# Altium PCB XMS0004.PcbDoc (part 2 of 5) (continued)
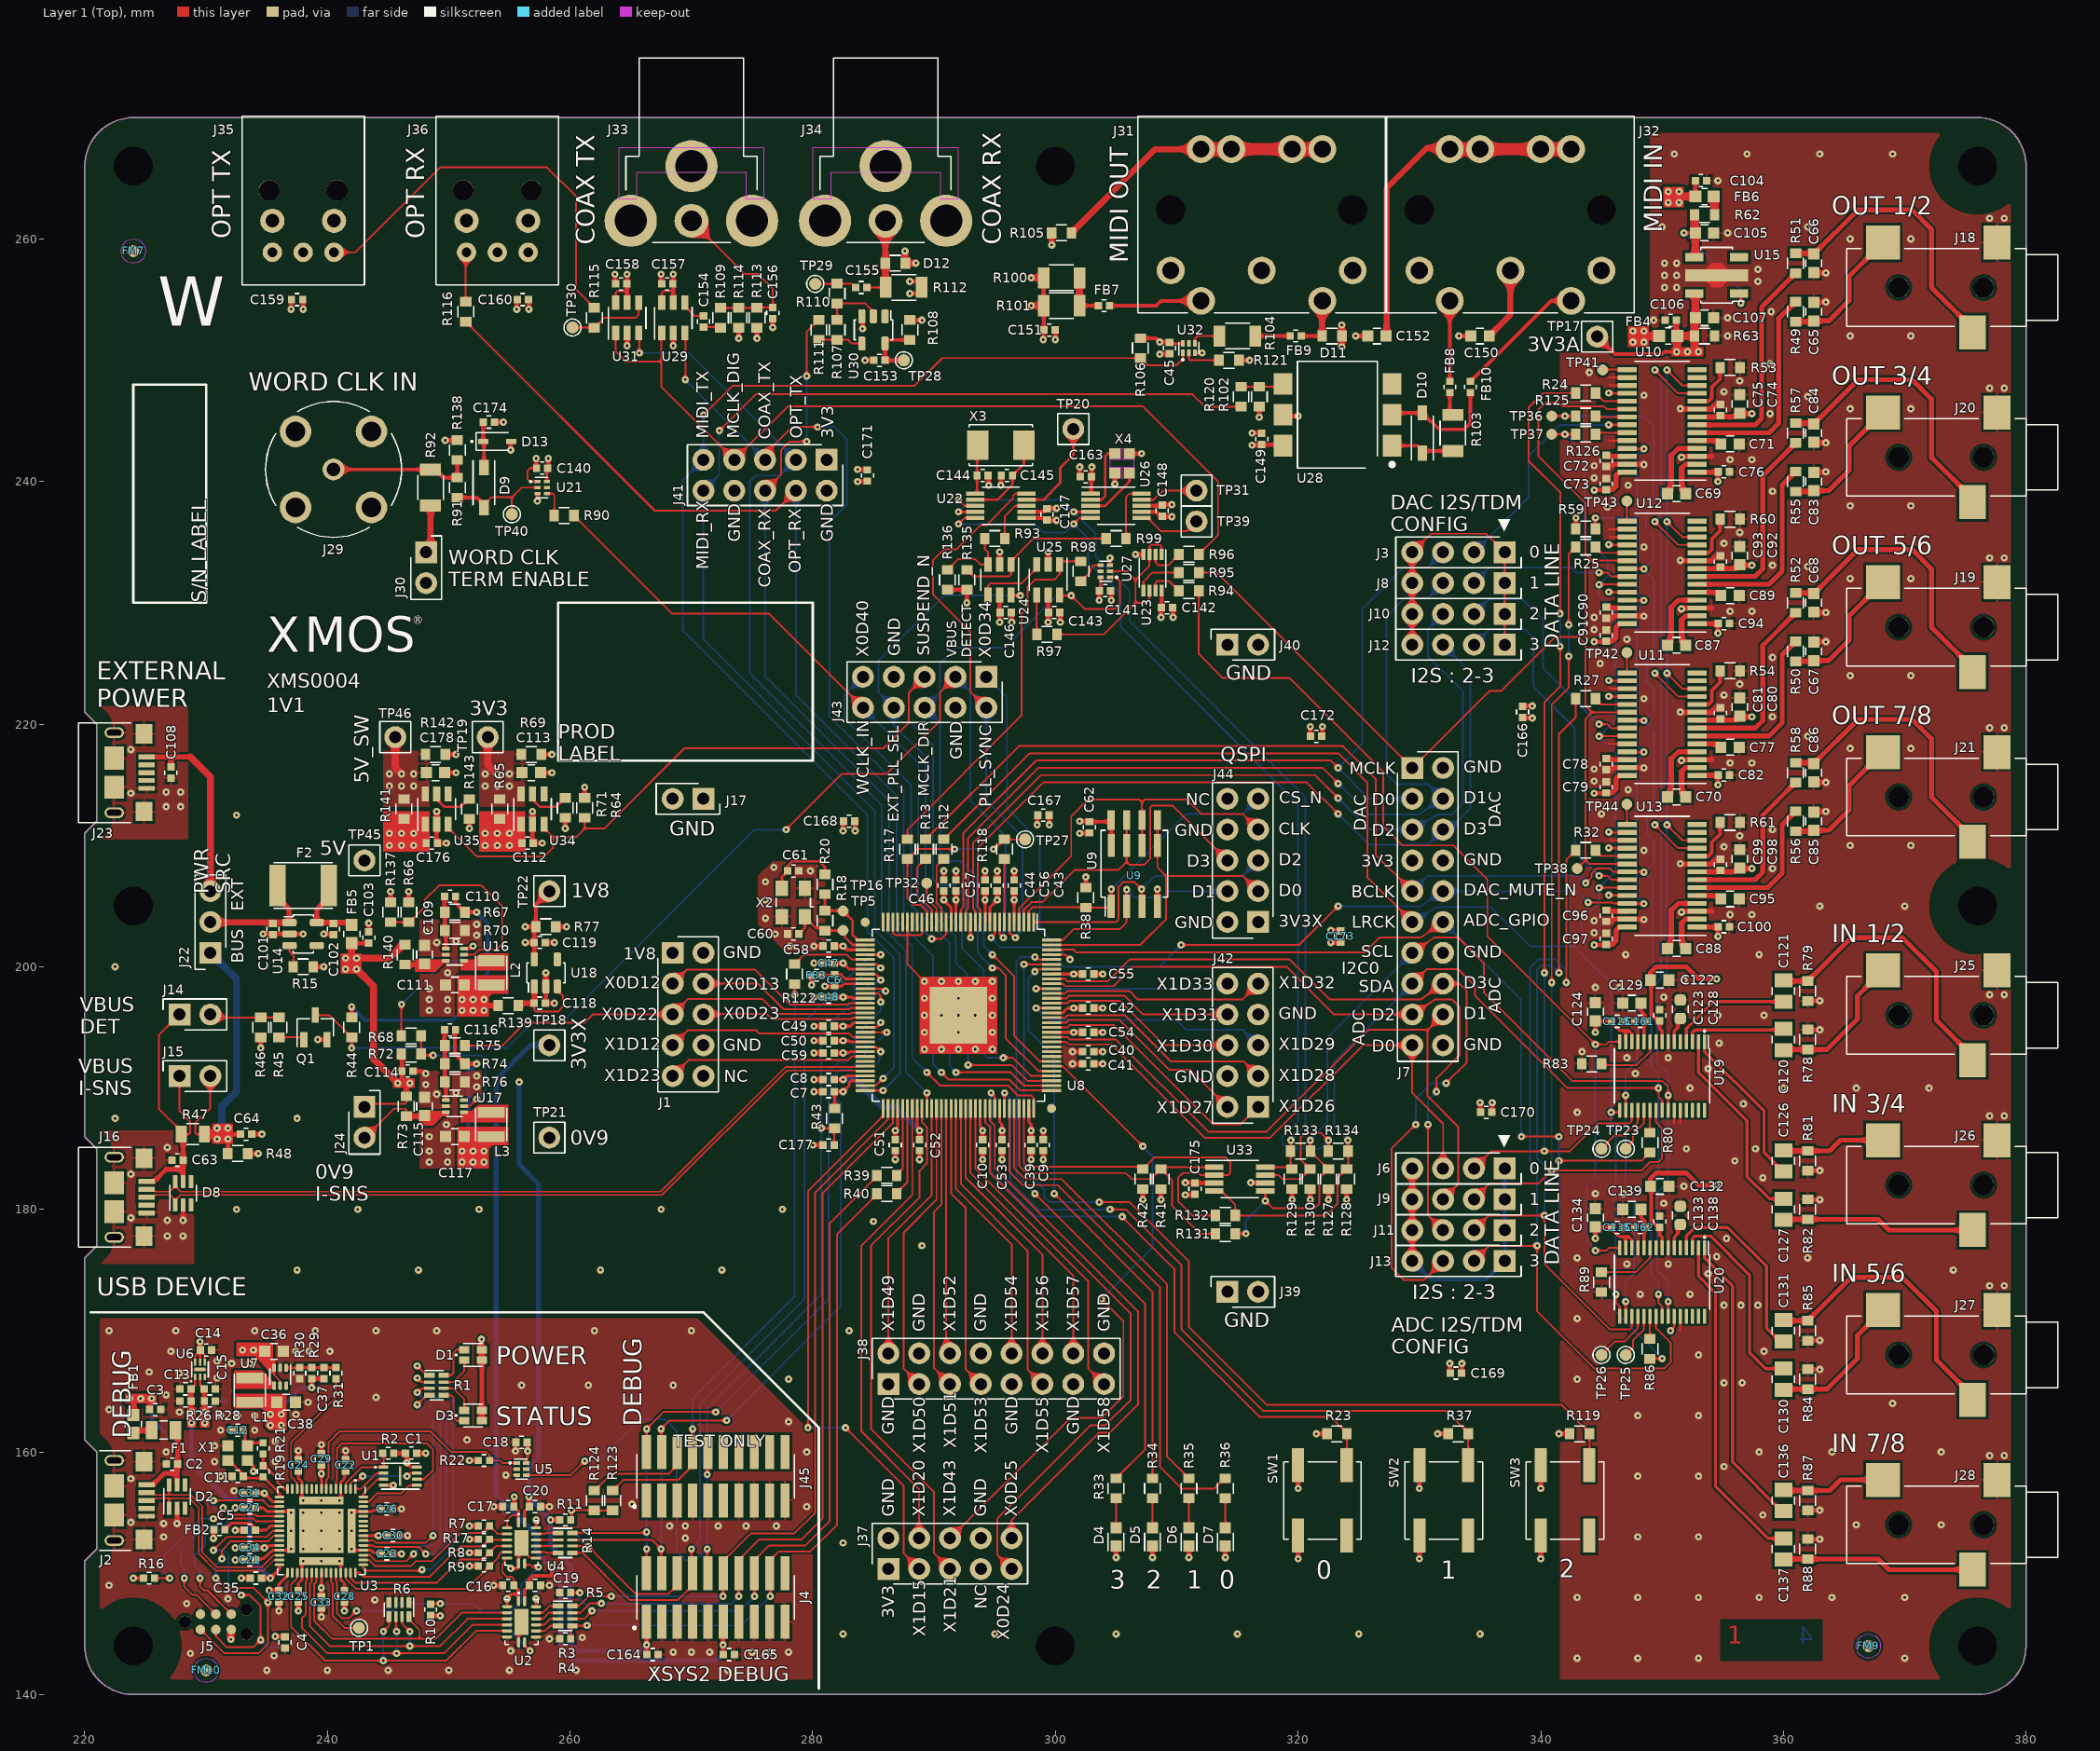
[diagram p0: Layer 1 (Top) view]
## Part data (continued)
R111: library part STD-02-0038, "CHIP RESISTOR, 100 OHM, 0.1W, 1%, 0603", Manufacturer=Yageo, Manufacturer Part Number=RC0603FR-07100RL, Max Power=100mW, Max Voltage=50V, Temperature Coefficient=±100ppm/°C, Tolerance=1%, Approx Volume Cost ($)=0.002, Part Number=STD-02-0038, Web Search Link=http://www.google.com/search?q=RC0603FR-07100RL
SW1 SW2 SW3: library part GEN-20-0004, "Tactile Switch, Momentary, J Bend SMD", Manufacturer=C&K, Manufacturer Part Number="KSC421J 70SH LFS", Approx Volume Cost ($)=0.27, Part Number=GEN-20-0004, Web Search Link="http://www.google.com/search?q=KSC421J 70SH LFS"
TP1 TP23 TP24 TP25 TP26 TP27 TP28 TP29 TP30 TP40: library part GEN-24-0003, "Testpoint, SMD, 1mm", Manufacturer=NA, Approx Volume Cost ($)=NA, Manufacturer Part Number=NA, Part Number=GEN-24-0003
TP2 TP5 TP16 TP32 TP33 TP34 TP35 TP36 TP37 TP38 TP41 TP42 TP43 TP44: library part GEN-24-0019, "Testpoint, SMD, 0.9mm", Manufacturer=NA, Approx Volume Cost ($)=NA, Manufacturer Part Number=NA, Part Number=GEN-24-0019
TP3 TP4 TP6 TP7 TP8 TP9 TP10 TP11 TP12 TP13 TP14 TP15: library part GEN-24-0014, "Testpoint, SMD, 1.2mm", Manufacturer=NA, Approx Volume Cost ($)=NA, Manufacturer Part Number=NA, Part Number=GEN-24-0014
TP17 TP18 TP19 TP20 TP21 TP22 TP31 TP39 TP45 TP46: library part GEN-24-0002, "Testpoint, Through Hole", Manufacturer=NA, Approx Volume Cost ($)=NA, Manufacturer Part Number=NA, Part Number=GEN-24-0002
U1: library part GEN-12-0023, "Memory, Flash, SPI, Multi-IO, 8Mb (4Kx256), 1.65V to 1.95V, USON-8 (2x3mm)", Manufacturer=Winbond, Manufacturer Part Number=W25Q80EWUXIE, Approx Volume Cost ($)=0.38, Memory Size=8MBIT, Part Number=GEN-12-0023
U2 U4: library part GEN-11-0017, "Configurable Dual-Voltage Supply Translator, 4 bit, DQFN16", Manufacturer=Fairchild, Manufacturer Part Number=FXL4TD245BQX, Approx Volume Cost ($)=0.5, Part Number=GEN-11-0017, Web Search Link=http://www.google.com/search?q=FXL4TD245BQX
U3: library part GEN-08-0033, "Processor, xcore.ai, 2400MIPS, 1.8V VDDIO, 60QFN", Manufacturer=XMOS, Approx Volume Cost ($)=1, Manufacturer Part Number=XU316-1024-QF60A-C24, Part Number=GEN-08-0033, Web Search Link=http://www.google.com/search?q=XU316-1024-QF60A
U5 U21 U27 U32: library part GEN-11-0049, "Single Buffer with 3-State Output, LVC Series, SON6", Manufacturer="Texas Instruments", Manufacturer Part Number=SN74LVC1G125DRYR, Approx Volume Cost ($)=0.14, Part Number=GEN-11-0049, Web Search Link=http://www.google.com/search?q=SN74LVC1G125DRYR
U6: library part GEN-14-0057, "Voltage Regulator, Dual, 3.3V/1.8V, 150mA, Low Iq, Low Dropout, X2SON-6", Manufacturer="Texas Instruments", Manufacturer Part Number=TLV7163318PDPQR, Op Temp Range="TJ = -40 to 125", Approx Volume Cost ($)=0.13, Part Number=GEN-14-0057
U7 U16 U17: library part GEN-14-0064, "DC-DC Synchronous Buck Converter, Adjustable, PFM/PWM, Power Good, 2.2MHz, 1A, SOT563", Manufacturer="Diodes Incorporated", Manufacturer Part Number=AP61102Z6-7, Op Temp Range="TJ = -40 to 125", Approx Volume Cost ($)=0.11, Part Number=GEN-14-0064, Web Search Link=http://www.google.com/search?q=AP61102Z6-7
U8: library part GEN-08-0039, "Processor, xcore.ai, 2400MIPS, 128TQFP", Manufacturer=XMOS, Approx Volume Cost ($)=5, Manufacturer Part Number=XU316-1024-TQ128-C24, Part Number=GEN-08-0039, Web Search Link=http://www.google.com/search?q=XU316-1024-TQ128
U9: library part GEN-12-0035, "Memory, Flash, SPI, Multi-IO, 32Mb (16Kx256), 2.7 to 3.6V, QE = 1, SOIC-8-W", Manufacturer=Winbond, Approx Volume Cost ($)=0.61, Manufacturer Part Number=W25Q32JVSSIQ, Memory Size=32MBIT, Part Number=GEN-12-0035, Web Search Link=http://www.google.com/search?q=W25Q32JVSSIQ
U9: library part GEN-12-0031, "Memory, Flash, SPI, Multi-IO, 32Mb (16Kx256), 2.7 to 3.6V, QE = 0, SOIC-8", Manufacturer=Winbond, Approx Volume Cost ($)=0.61, Manufacturer Part Number=W25Q32JVSNIM, Memory Size=32MBIT, Part Number=GEN-12-0031, Web Search Link=http://www.google.com/search?q=W25Q32JVSNIM
U10 U11 U12 U13: library part GEN-06-0001, "Stereo Audio DAC, 32 bit/384kHz, 112dB SNR, PLL, 2Vrms Output, TSSOP28", Manufacturer="Texas Instruments", Manufacturer Part Number=PCM5122PW, Approx Volume Cost ($)=3.3, Part Number=GEN-06-0001, Web Search Link=http://www.google.com/search?q=PCM5122PW
U14: library part GEN-14-0068, "USB Positive Overvoltage Protection Controller, Internal P-FET, OVLO 6.25V, TSOT23-5", Manufacturer="ON Semiconductor", Manufacturer Part Number=NCP360SNAET1G, Op Temp Range="TA = -40 to 85", Approx Volume Cost ($)=0.25, Part Number=GEN-14-0068, Web Search Link=http://www.google.com/search?q=NCP360SNAET1G
U15: library part GEN-14-0070, "Voltage Regulator, Linear, Fixed, 3V3, 700mA, w/enable, SOT89-5", Manufacturer="Torex Semiconductor", Manufacturer Part Number=XC6227C331PR-G, Op Temp Range="TA = -40 to 85", Approx Volume Cost ($)=0.35, Part Number=GEN-14-0070, Web Search Link=http://www.google.com/search?q=XC6227C331PR-G
U18: library part GEN-14-0066, "Voltage Regulator, Linear, Fixed, 1V8, 200mA, Low Iq=2uA, Output Active Discharge, TSOT23-5", Manufacturer=Toshiba, Manufacturer Part Number=TCR2LF18,LM, Approx Volume Cost ($)=0.08, Part Number=GEN-14-0066, Web Search Link=http://www.google.com/search?q=TCR2LF18,LM
U19 U20: library part GEN-06-0022, "Audio ADC, 4-Channel, 24 bit/192kHz, Single Ended or Differential, 110dB SNR, I2C/SPI Control, TSSOP30", Manufacturer="Texas Instruments", Manufacturer Part Number=PCM1865DBTR, Approx Volume Cost ($)=4, Part Number=GEN-06-0022, Web Search Link=http://www.google.com/search?q=PCM1865
U22: library part GEN-07-0007, "Fractional-N Clock Multiplier, I2C/SPI Control, MSOP10", Manufacturer="Cirrus Logic", Manufacturer Part Number=CS2100CP-CZZ, Approx Volume Cost ($)=3.23, Part Number=GEN-07-0007, Web Search Link=http://www.google.com/search?q=CS2100CP-CZZ
U23: library part GEN-11-0025, "Triple Logic Buffer, UHS Series, US8", Manufacturer=Fairchild, Manufacturer Part Number=NC7NZ34K8X, Approx Volume Cost ($)=0.17, Part Number=GEN-11-0025, Web Search Link=http://www.google.com/search?q=NC7NZ34K8X
U24 U25: library part GEN-11-0050, "Two Input Non-Inverting Multiplexer, LVC Series, TSOP6", Manufacturer=Nexperia, Manufacturer Part Number=74LVC1G157GV, Approx Volume Cost ($)=0.1, Part Number=GEN-11-0050, Web Search Link=http://www.google.com/search?q=74LVC1G157GV
U26: library part GEN-07-0005, "Clock Generator, I2C Programmable, XTAL Input, 3 Outputs, MSOP10", Manufacturer="Silicon Labs", Approx Volume Cost ($)=1.03, Manufacturer Part Number=SI5351A-B-GT, Part Number=GEN-07-0005, Web Search Link=http://www.google.com/search?q=SI5351A-B-GT
U28: library part GEN-13-0028, "Optocoupler, Schmitt Trigger Output, 3-15V, 1.6mA Turn-On, PDIP6_SMD", Manufacturer="ON Semiconductor", Manufacturer Part Number=H11L1SM, Approx Volume Cost ($)=0.3, Part Number=GEN-13-0028, Web Search Link=http://www.google.com/search?q=H11L1SM
U29 U31: library part GEN-11-0051, "Single D-Type Flip Flop with Reset, Positive Edge Trigger, LVC Series, SOT23-6 (SC-74)", Manufacturer=Nexperia, Manufacturer Part Number=74LVC1G175GV, Approx Volume Cost ($)=0.1, Part Number=GEN-11-0051, Web Search Link=http://www.google.com/search?q=74LVC1G175GV
U30: library part GEN-11-0047, "Single Unbuffered Inverter, LVC Series, SOT23-5", Manufacturer=Nexperia, Manufacturer Part Number=74LVC1GU04GV, Approx Volume Cost ($)=0.06, Part Number=GEN-11-0047, Web Search Link=http://www.google.com/search?q=74LVC1GU04GV
U33: library part GEN-09-0030, "2-channel I2C-bus multiplexer, TSSOP8", Manufacturer=NXP, Manufacturer Part Number=PCA9540BDP,118, Approx Volume Cost ($)=1.64, Part Number=GEN-09-0030, Web Search Link=http://www.google.com/search?q=PCA9540BDP,118
U34 U35: library part GEN-14-0072, "Precision Adjustable Current Limited Load Switch, 3.0 - 5.5V, 2.1A max, Active High Enable, SOT26", Manufacturer="Diodes Incorporated", Manufacturer Part Number=AP22653W6-7, Op Temp Range="TA = -40 to 85", Approx Volume Cost ($)=0.18, Part Number=GEN-14-0072, Web Search Link=http://www.google.com/search?q=AP22653W6-7
X1: library part GEN-15-0038, "Crystal, 24MHz, Freq Tol. ±8ppm, Freq Stab. ±12ppm, CL 10pF, Max ESR 70 Ohm, 2.0x1.6mm SMD", FREQUENCY=24M, Manufacturer=Murata, Manufacturer Part Number=XRCGB24M000FFS1CR0, Approx Volume Cost ($)=0.27, Part Number=GEN-15-0038, Web Search Link=http://www.google.com/search?q=XRCGB24M000FFS1CR0
X2: library part GEN-15-0032, "Crystal, 24MHz, Freq Tol. ±30ppm, Freq Stab. ±30ppm, CL 12pF, 3.2x2.5mm SMD", FREQUENCY=24M, Manufacturer="Seiko Epson", Manufacturer Part Number="FA-238 24.0000MD30X-W", Approx Volume Cost ($)=0.15, Part Number=GEN-15-0032, Web Search Link="http://www.google.com/search?q=FA-238 24.0000MD30X-W"
X3: library part GEN-15-0041, "Crystal, 24MHz, Freq Tol. ±30ppm, Freq Stab. ±30ppm, CL 18pF, Max ESR 40 Ohm, 5x3.2mm SMD", FREQUENCY=24M, Manufacturer=CTS, Manufacturer Part Number=445C33D24M00000, Approx Volume Cost ($)=0.33, Part Number=GEN-15-0041, Web Search Link=http://www.google.com/search?q=445C33D24M00000
X4: library part GEN-15-0039, "Crystal, 25MHz, Freq Tol. ±25ppm, Freq Stab. ±40ppm, CL 8pF, Max ESR 80 Ohm, 2.0x1.6mm SMD", FREQUENCY=25M, Manufacturer=Murata, Manufacturer Part Number=XRCGB25M000FAM10R0, Approx Volume Cost ($)=0.27, Part Number=GEN-15-0039, Web Search Link=http://www.google.com/search?q=XRCGB25M000FAM10R0

## Free pads (board coordinates)
  round 0 hole 3.2 unplated mask+2: 0(224,144) 0(224,205) 0(224,266) 0(300,144) 0(300,266) 0(376,144) 0(376,205) 0(376,266)

## Via types
v1: diameter 0.6, hole 0.2, Layer 1 (Top) to Layer 4 (Bottom), 922 vias

## Nets (pads, with @x,y where several pads share a name; then routed paths per layer and width w, separated by ;. In a path a pad name is that pad's centre, name@x,y a point inside that pad or via, vN(x,y) a via of type N, cw(c..) or ccw(c..) an arc to the next point about the centre after c; other vN are vias at no path point)
0V9: C9.1 C10.1 C39.1 C40.1 C41.1 C42.1 C43.1 C44.1 C46.1 C47.1 C48.1 C49.1 C50.1 C51.1 C116.1 C117.1 FB3.2 L3.2 R74.2 TP21.1 U8.5 U8.11 U8.14 U8.18 U8.39 U8.45 U8.50 U8.54 U8.68 U8.85 U8.95 U8.104 U8.105 U8.106 U8.113 | length 45.7
  Layer 1 (Top) w0.24: v1(282.5,193.9) 283,193.9 283.1,193.8 U8.54@284.32,193.8 ; v1(282.5,195.1) 283.088,195.1 283.388,195.4 U8.50@284.32,195.4 ; v1(282.5,197.5) 283.2,197.5 283.3,197.4 U8.45@284.32,197.4 ; v1(282.5,200.3) 283,199.8 U8.39@284.32,199.8 ; v1(286.8,186.5) 286.8,186.597 287,186.797 U8.68@287,188.32 ; v1(290.8,205.5) 291.4,204.9 U8.18@291.4,203.68 ; v1(293,202.4) U8.14@293,203.68 ; U8.85@293.8,188.32 293.8,186.797 294,186.597 v1(294,186.5) ; U8.11@294.2,203.68 v1(294.2,205.5) ; U8.5@296.6,203.68 v1(296.6,205.5) v1@296.6,205.403 ; U8.95@297.8,188.32 297.8,187.2 298,187 v1(298,186.5) ; U8.113@299.68,196.2 300.6,196.2 300.973,196.573 301.473,196.573 v1(301.5,196.6)
  Layer 1 (Top) w0.3: C116.1@250.56,194.8 250.5,194.74 250.5,192.82 R74.2@251.32,192 v1(252.3,192) ; FB3.2@279.845,199.3 279.9,199.245 v1(279.9,198.5) ; C50.1@281.76,193.9 v1(282.5,193.9) ; C49.1@281.76,195.1 v1(282.5,195.1) ; C48.1@281.76,197.5 v1(282.5,197.5) ; C47.1@281.76,200.3 v1(282.5,200.3) ; C51.1@286.8,185.76 v1(286.8,186.5) ; v1(290.8,205.5) C46.1@290.8,206.24 ; C10.1@294,185.76 v1(294,186.5) ; v1(294.2,205.5) C44.1@294.2,206.24 ; v1(296.6,205.5) C43.1@296.6,206.24 ; C39.1@298,185.76 v1(298,186.5) ; C9.1@299,185.76 v1(299,186.5) ; v1(301.4,192) C41.1@302.24,192 ; v1(301.4,193) C40.1@302.24,193 ; v1(301.5,196.6) C42.1@302.24,196.6
  Layer 4 (Bottom) w0.3: v1(251.1,184.8) 251.1,186.3 251.6,186.8 251.6,191.3 v1(252.3,192)
  other v1: 251.1,183.9 252,183.9 252.9,183.9 252,184.8 252.9,184.8
0V9_DBG: C21.1 C22.1 C23.1 C24.1 C25.1 C26.1 C27.1 C28.1 C37.1 C38.1 FB2.2 L1.2 R29.2 TP12.1 U3.4 U3.12 U3.19 U3.27 U3.34 U3.42 U3.49 U3.57 U3.61 U3.62 U3.63 U3.64 | length 28.7
  Layer 1 (Top) w0.2: C37.1@239.695,166.045 C37.1@239.7,166.04
  Layer 1 (Top) w0.23: FB2.2@230.6,153.555 FB2.2@230.645,153.6 ; C21.1@234.06,151.1 234.7,151.2 235.5,151.9 U3.27@236.045,151.9 U3.62@236.9,151.9 ; C27.1@234.06,155.4 234.7,155.4 235,155.1 U3.19@236.045,155.1 U3.62@236.9,155.1 ; C25.1@237.6,148.66 237.6,149.169 237.9,149.469 U3.34@237.9,150.045 U3.63@237.9,150.9 ; C24.1@237.6,158.44 237.6,158 237.6,157.844 237.9,157.544 U3.12@237.9,156.955 U3.61@237.9,156.1 ; U3.63@241.1,150.9 U3.42@241.1,150.045 241.1,149.475 241.4,149.175 C28.1@241.4,148.56 ; U3.61@241.1,156.1 U3.4@241.1,156.955 241.1,157.506 241.4,157.806 241.4,158.34 C22.1@241.5,158.44 ; U3.64@242.1,151.9 U3.49@242.955,151.9 243.6,151.9 243.8,151.7 244.34,151.7 C23.1@244.44,151.6 ; U3.64@242.1,155.1 U3.57@242.955,155.1 243.7,155.1 243.8,155.2 244.34,155.2 C26.1@244.44,155.3
  Layer 1 (Top) w0.3: v1(230.6,152.875) FB2.2@230.6,153.555 ; v1(238.7,165.3) R29.2@238.7,166.045 C37.1@239.695,166.045
  Layer 4 (Bottom) w0.2: TP12.1@234.16,164.14 TP12.1@234.16,164.2
  Layer 4 (Bottom) w0.3: TP12.1@234.16,164.14 v1@235.3,163 ; v1(236.2,163.1) 236.2,163.7 237.8,165.3 v1(238.7,165.3)
  other v1: 238,151 239.5,151 241,151 237,152 242,152 237,153.5 242,153.5 237,155 242,155 238,156 239.5,156 241,156 235.3,162.2 236.2,162.2 235.3,163.1
1V8: C7.1 C20.1 C58.1 C59.1 C119.1 C164.1 J1.1 J4.1 R11.2 R43.2 R77.2 TP22.1 U4.16 U8.35 U8.56 U8.62 U18.5 | length 78.6
  Layer 1 (Top) w0.2: C20.1@256.6,155.54 C20.1@256.64,155.5
  Layer 1 (Top) w0.24: C7.1@281.76,189.7 281.8,189.66 R43.2@281.8,188.32 ; v1(282.5,189.7) 283,190.2 283,190.4 283.2,190.6 U8.62@284.32,190.6 ; v1(282.5,192.9) 283,192.9 283.1,193 U8.56@284.32,193 ; v1(282.5,201.7) 282.521,201.7 282.821,201.4 U8.35@284.32,201.4
  Layer 1 (Top) w0.25: U4.16@256.25,154.195 256.25,155.11 C20.1@256.64,155.5
  Layer 1 (Top) w0.3: v1(256.3,202) C119.1@257.04,202 ; v1(256.3,203.3) 257.04,203.3 R77.2@257.18,203.3 ; C20.1@256.6,155.54 v1(256.6,156.3) ; U18.5@257.04,200.63 C119.1@257.04,202 ; TP22.1@258.29,206.23 257.18,205.12 R77.2@257.18,203.3 ; v1(258.4,154.4) R11.2@259.145,154.4 ; J4.1@266.285,146 266.3,145.985 v1(266.3,144.1) 266.3,143.34 C164.1@266.34,143.3 ; C7.1@281.76,189.7 v1(282.5,189.7) ; C59.1@281.76,192.9 v1(282.5,192.9) ; C58.1@281.76,201.7 v1(282.5,201.7) ; C119.1@257.04,202 257.04,203.16 R77.2@257.18,203.3
  Layer 1 (Top) w0.4: U18.5@257.04,200.63 U18.5@257.05,200.62
  Layer 4 (Bottom) w0.4: v1(255.8,190.5) 255.8,183.7 257.4,182.1 257.4,159.6 256.6,158.8 v1(256.6,156.3) 256.6,156.2 v1(258.4,154.4) 258.4,152.3 260,150.7 260,144.3 260.7,143.6 265.8,143.6 v1(266.3,144.1)
1V8_DBG: C1.1 C4.1 C15.1 C16.1 C17.1 C18.1 C29.1 C30.1 C31.1 C32.1 C33.1 C34.1 J5.5 R2.2 R7.2 R8.2 R9.2 R10.2 R16.2 R22.2 R28.2 TP11.1 U1.8 U2.1 U2.2 U2.15 U3.8 U3.17 U3.26 U3.31 U3.38 U3.52 U4.1 U4.2 U4.7 U4.15 U5.6 U6.2 | length 40.6
  Layer 1 (Top) w0.15: U2.2@254.805,147.25 v1@254.805,147.905 ; U4.7@254.805,151.25 254.65,151.25 254.6,151.2 254.6,150.9 254.4,150.7 254.4,150.1 254.8,149.7 255.2,149.7 255.36,149.54 C16.1@255.36,149 ; U4.2@254.805,153.75 254.805,154.405 255.2,154.8 255.75,154.8 ; U2.15@257.195,147.25 v1@257.195,147.905 ; U4.15@257.195,153.75 257.2,153.755 v1(257.2,154.4)
  Layer 1 (Top) w0.2: U6.2@229.5,166.2 229.5,165.54 C15.1@229.84,165.2 ; U5.6@256.385,159.1 256.385,159.485 256.5,159.6 v1(256.5,160.075)
  Layer 1 (Top) w0.23: v1(234.8,152.1) 235.3,152.3 U3.26@236.045,152.3 ; v1(234.8,156.6) 235.5,155.9 U3.17@236.045,155.9 ; C32.1@236,148.6 236,149.1 236.7,149.8 U3.31@236.7,150.045 ; v1(239.5,148.8) U3.38@239.5,150.045 ; U3.8@239.5,156.955 v1(239.5,158.2) ; U3.52@242.955,153.1 v1(244.2,153.1)
  Layer 1 (Top) w0.25: v1(224,149.6) R16.2@224.845,149.6 ; v1(246.55,159.1) 246.9,158.75 U1.8@247.37,158.75 ; v1@254.805,147.905 255.2,148.3 255.75,148.3 ; C16.1@255.4,149.04 C16.1@255.36,149 255.75,148.61 255.75,148.3 ; C17.1@255.4,155.54 C17.1@255.36,155.5 255.75,155.11 255.75,154.8 U4.1@255.75,154.195 ; U2.1@255.75,147.695 255.75,148.3
  Layer 1 (Top) w0.27: C1.1@246.44,159.9 C1.1@246.55,159.79
  Layer 1 (Top) w0.3: C15.1@229.8,165.16 C15.1@229.84,165.2 229.84,164.205 R28.2@229.845,164.2 229.845,163.355 v1(229.9,163.3) ; C34.1@234.06,152.1 v1(234.8,152.1) ; C31.1@234.06,156.6 v1(234.8,156.6) ; v1(235.2,148.6) C32.1@236,148.6 ; v1(235.7,144.8) 236.46,144.8 C4.1@236.5,144.76 ; C33.1@239.5,148.06 v1(239.5,148.8) ; v1(239.5,158.2) C29.1@239.5,158.94 ; v1(244.2,153.1) C30.1@244.94,153.1 ; R2.2@245.455,159.9 C1.1@246.44,159.9 ; v1(246.55,159.1) C1.1@246.55,159.79 ; R10.2@248.5,146.545 248.545,146.5 v1(249.3,146.5) ; v1(251.7,150.6) R9.2@252.445,150.6 ; v1(251.7,151.7) R8.2@252.445,151.7 ; v1(251.7,153.9) R7.2@252.445,153.9 ; v1(251.7,159.3) R22.2@252.445,159.3 ; C17.1@255.4,155.54 v1(255.4,156.3) ; C18.1@256.46,160.8 256.5,160.76 v1(256.5,160.075)
  Layer 1 (Top) w0.6: v1(232.05,144.55) 232.05,145.345 J5.5@232.07,145.365
  Layer 4 (Bottom) w0.3: v1(229.9,163.3) 230.8,164.2 TP11.1@231.62,164.2
  other v1: 254.8,147.9 257.19,147.9 229.9,162.4
3V3: C45.1 C73.1 C79.1 C91.1 C97.1 C113.1 C124.1 C125.1 C134.1 C135.1 C140.1 C141.1 C142.1 C143.1 C146.1 C147.1 C148.1 C149.1 C151.1 C157.1 C158.1 C159.1 C160.1 C163.1 C166.1 C167.1 C168.1 C169.1 C170.1 C171.1 C172.1 C173.1 C175.1 FB4.2 J7.7 J35.2 J36.3 J37.1 J41.1 R23.2 R37.2 R41.2 R42.2 R59.2 R65.2 R69.2 R100.2 R101.2 R102.2 R106.2 R108.1 R119.2 R127.2 R128.2 R129.2 R130.2 TP19.1 U10.18 U10.28 U11.16 U11.18 U11.28 U12.18 U12.24 U12.28 U13.16 U13.18 U13.24 U13.28 U19.13 U19.14 U20.13 U20.14 U20.25 U21.6 U22.1 U23.8 U24.5 U25.5 U26.1 U26.7 U27.6 U28.6 U29.5 U29.6 U31.5 U31.6 U32.6 U33.3 U34.6 | length 107.4
  Layer 1 (Top) w0.15: U31.6@263.75,254.755 263.75,255.55 263.9,255.7 264.7,255.7 ; U29.6@267.55,254.755 267.55,255.55 267.7,255.7 268.5,255.7 ; v1(345.6,205.9) 345.625,205.875 U13.24@347.12,205.875 ; v1(345.6,209.8) 345.625,209.775 U13.18@347.12,209.775 ; v1(345.6,211.1) 345.625,211.075 U13.16@347.12,211.075 ; v1(345.6,222.3) 345.625,222.275 U11.18@347.12,222.275 ; v1(345.6,223.6) 345.625,223.575 U11.16@347.12,223.575 ; v1(345.6,230.9) 345.625,230.875 U12.24@347.12,230.875 ; v1(345.6,234.8) 345.625,234.775 U12.18@347.12,234.775 ; v1(345.6,247.3) 345.625,247.275 U10.18@347.12,247.275 ; v1(350.7,170) 351,170.3 U20.25@351,171.18
  Layer 1 (Top) w0.2: U21.6@258.085,240 258.085,241.125 C140.1@258.16,241.2 ; C140.1@258.16,241.1 C140.1@258.2,241.14 ; C141.1@303.6,230.96 C141.1@303.64,231 303.715,231.075 U27.6@303.715,232.1 ; C45.1@309.3,251.46 309.375,251.385 U32.6@310.5,251.385
  Layer 1 (Top) w0.25: C135.1@345.74,178.324 345.74,178.5 346.49,177.75 347,177.75 ; C125.1@345.74,195.5 346.49,194.75 347,194.75 ; U20.14@347,176.82 347,177.75 ; U19.14@347,193.82 347,194.75 ; U20.13@347.5,176.82 347.5,177.5 347.25,177.75 347,177.75 ; U19.13@347.5,193.82 347.5,194.5 347.25,194.75 347,194.75
  Layer 1 (Top) w0.3: v1(238,254.2) C159.1@238,254.96 ; v1(256.6,254.2) C160.1@256.6,254.96 ; C140.1@258.2,241.14 v1(258.2,241.9) ; C158.1@264.66,256.3 264.7,256.26 264.7,255.7 U31.5@264.7,254.755 ; C158.1@264.7,256.34 v1(264.7,257.1) ; U29.5@268.5,254.755 268.5,256.34 v1(268.5,257.1) ; v1(283.5,211.2) C168.1@283.5,211.96 ; v1(283.7,240) C171.1@284.46,240 ; R108.1@288,253.32 288.02,253.3 v1(289,253.3) ; v1(295.4,228.4) 295.4,229.16 C146.1@295.44,229.2 295.4,229.24 U24.5@295.4,230.645 U24.5@295.4,230.935 ; U22.1@297.605,237 299.06,237 299.26,236.8 C147.1@299.3,236.84 299.34,236.8 v1(300.1,236.8) ; v1(298.5,211.7) C167.1@298.5,212.46 ; v1(299,251.7) C151.1@299,252.46 ; R100.2@299.02,256.8 R101.2@299.02,254.5 299.04,254.48 C151.1@299.04,252.5 ; v1(299.4,228.4) 299.4,229.16 C143.1@299.44,229.2 C143.1@299.4,229.24 ; C143.1@299.4,229.22 U25.5@299.4,230.645 U25.5@299.4,230.935 ; U26.1@302.895,239 302.96,239.065 C163.1@302.96,240.4 303,240.44 v1(303,241.2) ; v1(303.6,230.2) C141.1@303.6,230.96 ; R106.2@307,251.82 308.28,251.82 v1(308.6,251.5) C45.1@309.36,251.5 ; U26.7@307.105,237.5 308.3,237.5 308.66,237.14 C148.1@308.8,237.14 308.84,237.1 v1(309.6,237.1) ; v1(307.2,180.8) R42.2@307.2,181.68 ; v1(308.7,180.8) R41.2@308.7,181.68 ; v1(308.7,228.8) 308.7,229.56 C142.1@308.74,229.6 308.75,229.61 U23.8@308.75,231.01 ; v1(310.7,182.2) 311.46,182.2 311.485,182.175 U33.3@313.095,182.175 ; v1(316.2,243) 316.96,243 C149.1@317,243.04 318.67,243.04 U28.6@318.75,242.96 ; v1(316.8,245.3) R102.2@316.8,246.18 ; v1(319.5,180.8) R129.2@319.5,181.68 ; v1(321,180.8) R130.2@321,181.68 ; v1(321.5,161.5) R23.2@322.38,161.5 ; C172.1@322,219.04 v1(322,219.8) ; v1(322.5,180.8) R127.2@322.5,181.68 ; v1(322.7,203) C173.1@323.46,203 ; v1(324,180.8) R128.2@324,181.68 ; v1(331.5,161.5) R37.2@332.38,161.5 ; C169.1@333.5,166.54 v1(333.5,167.3) ; C170.1@336,188.04 v1(336,188.8) ; C166.1@338.54,220.5 v1(339.3,220.5) ; v1(341.5,161.5) R119.2@342.38,161.5 ; R59.2@342.88,236.1 342.9,236.12 v1(342.9,237) ; v1(344.4,201.8) 345.36,201.8 C97.1@345.4,201.84 ; v1(344.4,214.3) 345.36,214.3 C79.1@345.4,214.34 ; v1(344.4,226.8) 345.36,226.8 C91.1@345.4,226.84 ; v1(344.4,239.3) 345.36,239.3 C73.1@345.4,239.34 ; v1(344.5,177.6) C134.1@344.5,178.545 344.545,178.5 C135.1@345.74,178.5 ; v1(344.5,194.6) C124.1@344.5,195.545 344.545,195.5 C125.1@345.74,195.5 ; U13.28@346.475,203.275 U13.28@347.12,203.275 ; U11.28@346.475,215.775 U11.28@347.12,215.775 ; U12.28@346.475,228.275 U12.28@347.12,228.275 ; U10.28@346.475,240.775 U10.28@347.12,240.775
  Layer 1 (Top) w0.4: C97.1@345.4,201.84 345.918,201.84 346.2,202.122 346.2,203 U13.28@346.475,203.275 ; C79.1@345.4,214.34 345.918,214.34 346.2,214.622 346.2,215.5 U11.28@346.475,215.775 ; C91.1@345.4,226.84 345.918,226.84 346.2,227.122 346.2,228 U12.28@346.475,228.275 ; C73.1@345.4,239.34 345.918,239.34 346.2,239.622 346.2,240.5 U10.28@346.475,240.775
  Layer 1 (Top) w0.5: R65.2@254.2,213.82 R65.2@254.23,213.85 ; v1(298,254.5) R101.2@299.02,254.5 ; v1(298,256.8) R100.2@299.02,256.8
  Layer 1 (Top) w0.6: TP19.1@253.21,218.93 253.21,216.69 v1(254,215.9) ; 348.2,252 FB4.2@349.765,252
  other v1: 253,214.9 254,214.9 255,214.9 253,215.9 255,215.9 347.6,251.5 348.5,251.5 347.6,252.4 348.5,252.4
3V3_DBG: C13.1 C35.1 D1.1 D1.2 D3.1 D3.2 R26.2 TP9.1 U3.30 U6.1 | length 27.8
  Layer 1 (Top) w0.2: C13.1@228.76,165.2 229.1,165.54 U6.1@229.1,166.2
  Layer 1 (Top) w0.23: v1(235.3,149.6) 236.045,150.345 U3.30@236.045,150.7
  Layer 1 (Top) w0.3: v1(228.8,163.3) 228.755,163.345 R26.2@228.755,164.2 228.76,164.205 C13.1@228.76,165.2 C13.1@228.8,165.16 ; C35.1@234.56,149.6 v1(235.3,149.6)
  Layer 1 (Top) w0.4: v1(252.7,169.3) 252.7,168.45 D1.2@252.725,168.425 D1.1@252.725,167.575 D3.2@252.725,163.425 D3.1@252.725,162.575
  Layer 4 (Bottom) w0.3: TP9.1@228.8,159.4 TP9.1@229.08,159.12
  Layer 4 (Bottom) w0.4: TP9.1@228.8,159.4 v1(228.8,162.4) ; TP9.1@229.08,158.82 231.8,156.1 232.9,156.1 233.6,155.4 233.6,151.3 v1(235.3,149.6)
3V3A: C74.1 C75.1 C76.1 C80.1 C81.1 C82.1 C92.1 C93.1 C94.1 C98.1 C99.1 C100.1 C106.1 C107.1 C122.1 C123.1 C132.1 C133.1 FB4.1 R63.2 TP17.1 U10.1 U10.8 U11.1 U11.8 U12.1 U12.8 U13.1 U13.8 U15.5 U19.8 U20.8 | length 68.9
  Layer 1 (Top) w0.28: C133.1@349.8,178.6 349.8,177.9 350,177.7 U20.8@350,176.82 ; C123.1@349.8,195.6 C123.1@349.8,195.54 349.8,194.9 350,194.7 U19.8@350,193.82
  Layer 1 (Top) w0.3: TP17.1@344.65,251.95 346.1,250.5 350,250.5 350.2,250.7 v1(351.2,250.7) ; C132.1@349.1,181.7 349.1,179.075 349.48,178.695 349.645,178.695 C133.1@349.77,178.57 ; C122.1@349.1,198.7 349.1,196.075 349.48,195.695 349.645,195.695 C123.1@349.77,195.57 ; C100.1@354.515,203.275 C100.1@354.54,203.3 ; C82.1@354.515,215.775 C82.1@354.54,215.8 ; C94.1@354.515,228.275 C94.1@354.54,228.3 ; C76.1@354.515,240.775 C76.1@354.54,240.8 ; v1(354.6,202.5) 354.6,203.26 C100.1@354.615,203.275 ; v1(354.6,215) 354.6,215.76 C82.1@354.615,215.775 ; v1(354.6,227.5) 354.6,228.26 C94.1@354.615,228.275 ; v1(354.6,240) 354.6,240.76 C76.1@354.615,240.775
  Layer 1 (Top) w0.4: C132.1@349.045,181.9 349.045,182.545 349.5,183 352,183 353,182 v1(354.5,182) ; C122.1@349.045,198.9 349.045,199.545 349.5,200 352,200 353,199 v1(354.5,199) ; C106.1@351.16,253.3 351.16,252.075 FB4.1@351.235,252 ; U13.1@352.88,203.275 C100.1@354.515,203.275 ; U13.8@352.88,207.825 356.08,207.825 C98.1@356.4,208.145 356.445,208.1 v1(357.4,208.1) ; U11.1@352.88,215.775 C82.1@354.515,215.775 ; U11.8@352.88,220.325 356.08,220.325 C80.1@356.4,220.645 356.445,220.6 v1(357.4,220.6) ; U12.1@352.88,228.275 C94.1@354.515,228.275 ; U12.8@352.88,232.825 356.08,232.825 C92.1@356.4,233.145 356.445,233.1 v1(357.4,233.1) ; U10.1@352.88,240.775 C76.1@354.515,240.775 ; U10.8@352.88,245.325 356.08,245.325 C74.1@356.4,245.645 356.445,245.6 v1(357.4,245.6)
  Layer 1 (Top) w0.6: v1(351.2,250.7) 351.235,250.735 FB4.1@351.235,252 R63.2@352.68,252 ; 352.6,250.7 352.68,250.78 R63.2@352.68,252 ; U15.5@352.85,255.5 352.745,255.395 C107.1@352.745,253.5 352.68,253.435 R63.2@352.68,252
  other v1: 352.1,250.7 353,250.7
3V3X: C8.1 C19.1 C52.1 C53.1 C54.1 C55.1 C56.1 C57.1 C62.1 C110.1 C111.1 C112.1 C165.1 J4.11 J44.1 L2.2 R38.2 R44.2 R65.1 R67.2 R139.1 TP18.1 U2.16 U8.10 U8.17 U8.61 U8.72 U8.89 U8.109 U8.121 U9.8 U34.1 | length 132.1
  Layer 1 (Top) w0.2: C19.1@256.6,149.04 C19.1@256.64,149
  Layer 1 (Top) w0.24: v1(282.5,190.7) 282.521,190.7 282.821,191 U8.61@284.32,191 ; U8.72@288.6,188.32 288.6,186.7 v1(288.8,186.5) ; U8.17@291.8,203.68 v1(291.8,205.5) ; U8.10@294.6,203.68 294.6,204.9 v1(295.2,205.5) ; U8.89@295.4,188.32 295.4,187.2 295.6,187 v1(295.6,186.5) ; U8.109@299.68,194.6 v1(301.5,194.6) ; U8.121@299.68,199.4 v1@301.466,199.4 ; U9.8@304.45,211.96 U9.8@304.595,212.105
  Layer 1 (Top) w0.25: U2.16@256.25,147.695 256.25,148.61 C19.1@256.64,149
  Layer 1 (Top) w0.3: R44.2@242,195.82 v1(242,196.7) ; C110.1@250.56,205.8 250.56,205.26 R67.2@251.32,204.5 v1(252.3,204.5) ; C19.1@256.64,149 256.64,149.54 256.9,149.8 258.5,149.8 v1(258.5,150.5) ; J4.11@272.635,146 272.6,145.965 v1(272.6,144.1) 272.6,143.34 C165.1@272.64,143.3 ; C8.1@281.76,190.7 v1(282.5,190.7) ; C52.1@288.8,185.76 v1(288.8,186.5) ; v1(291.8,205.5) C57.1@291.8,206.24 ; v1(295.2,205.5) C56.1@295.2,206.24 ; C53.1@295.6,185.76 v1(295.6,186.5) ; v1(301.5,194.6) C54.1@302.24,194.6 ; v1(301.5,199.4) C55.1@302.24,199.4 ; v1(302,212) C62.1@302.76,212 ; R38.2@302.5,206.52 v1(302.5,207.4) ; C62.1@302.8,211.96 U9.8@304.45,211.96 ; U9.8@304.595,210.005 U9.8@304.595,212.105
  Layer 1 (Top) w0.4: 252.8,196.8 R139.1@254.08,196.8
  Layer 4 (Bottom) w0.3: v1(242,196.7) 243.1,195.6 250.3,195.6 v1(251.1,196.4) ; v1(251.1,197.3) 253.2,199.4 253.2,203.6 v1(252.3,204.5)
  Layer 4 (Bottom) w0.4: TP18.1@258.29,193.53 256.73,193.53 253.9,190.7 253.9,156.5 257.2,153.2 257.2,151.8 v1(258.5,150.5) 259.2,149.8 259.2,143.8 260.2,142.8 272.1,142.8 272.6,143.3 v1(272.6,144.1)
  Layer 4 (Bottom) w0.5: v1(282.5,190.7) 283.5,190.7 285.8,188.4 286.9,188.4 v1(288.8,186.5)
  other v1: 252,196.4 252.9,196.4 252,197.3 252.9,197.3 253,210 254,210 255,210 253,211 254,211 255,211
5V: C103.1 C114.1 C176.1 FB5.2 J24.1 R66.2 R72.2 R73.1 R140.2 R141.1 TP45.1 U35.1 | length 27.4
  Layer 1 (Top) w0.15: J24.1@243.05,188.45 243.3,188.7 246.4,188.7 246.5,188.8 R73.1@246.5,189.32
  Layer 1 (Top) w0.3: FB5.2@242,201.965 242.025,201.94 C103.1@243.4,201.94 ; R72.2@246.18,192.8 246.14,192.76 C114.1@246.14,191.4 246.14,190.54 246.1,190.5 246.5,190.5 246.7,190.5 v1(246.8,190.4) ; R66.2@246.7,205.32 v1(246.7,206.2)
  Layer 1 (Top) w0.4: R73.1@246.5,189.32 246.5,190.3
  Layer 1 (Top) w0.5: 242,200.3 FB5.2@242,201.965
  Layer 1 (Top) w0.6: v1(242.4,199.8) 243.8,198.4 243.8,192.4 v1(245.8,190.4) ; v1(242.4,200.7) 245.1,200.7 246.22,201.82 R140.2@246.4,201.82
  other v1: 241.5,199.8 241.5,200.7 245.1,210 246.1,210 247.1,210 245.1,211 246.1,211 247.1,211
5V_DBG: C3.1 C14.1 C36.1 FB1.2 TP10.1 U6.4 U6.5 U6.6 U7.3 U7.5 | length 11.4
  Layer 1 (Top) w0.15: U6.6@229.1,167.4 229.1,167.96 C14.1@229.5,168.36 ; C14.1@229.54,168.4 C14.1@229.5,168.36 ; U6.4@229.9,167.4 229.9,167.96 C14.1@229.5,168.36 ; U7.3@235.6,166.935 235.6,166.35 236.075,165.875 236.075,165.49 U7.5@236.1,165.465
  Layer 1 (Top) w0.2: U6.5@229.5,167.4 C14.1@229.5,168.36
  Layer 1 (Top) w0.3: 225.1,164.4 225.34,164.16 C3.1@225.34,163.5 C3.1@225.34,163.4 ; C14.1@229.5,168.36 229.46,168.4 229.5,168.44 v1(229.5,169.1)
  Layer 1 (Top) w0.5: FB1.2@224,163.035 224,164.3 224.1,164.4
  Layer 4 (Bottom) w0.3: v1(225.5,164.4) 225.5,162.7 TP10.1@226.54,161.66
  other v1: 223.7,164.4 224.6,164.4 233,168.4 233.9,168.4
5V_SW: C104.1 C178.1 FB6.1 R141.2 R142.2 TP46.1 U35.6 | length 6.1
  Layer 1 (Top) w0.3: C104.1@352.74,264.8 352.74,263.525 FB6.1@352.765,263.5
  Layer 1 (Top) w0.5: R141.2@246.3,213.82 R141.2@246.33,213.85
  Layer 1 (Top) w0.6: TP46.1@245.59,218.93 245.59,216.41 v1(246.1,215.9) ; 351.3,263.5 FB6.1@352.765,263.5
  other v1: 245.1,214.9 246.1,214.9 247.1,214.9 245.1,215.9 247.1,215.9 350.5,263 351.4,263 350.5,263.9 351.4,263.9
ADC_D0: J6.2 R24.2 U19.18 | length 82.8
  Layer 1 (Top) w0.15: J6.2@334.49,183.37 335.92,184.8 v1(340.3,184.8) 342.4,184.8 344.7,187.1 347.3,187.1 347.5,187.3 U19.18@347.5,188.18 ; v1(340.3,199.5) 340.3,221.8 341.6,223.1 v1(341.6,226.4) ; v1(341.6,229.1) 341.6,239.1 339,241.7 339,246.1 340.2,247.3 R24.2@342.88,247.3
  Layer 4 (Bottom) w0.15: v1(340.3,184.8) v1(340.3,199.5) ; v1(341.6,226.4) v1(341.6,229.1)
ADC_D1: J9.2 R25.2 U19.22 | length 73.3
  Layer 1 (Top) w0.15: J9.2@334.49,180.83 335.8,182.14 339.84,182.14 v1(340.9,183.2) 348.3,183.2 349,183.9 349.7,183.9 350,184.2 350,186.7 349.5,187.2 U19.22@349.5,188.18 ; v1(340.9,198.7) 340.9,221.6 342.3,223 v1(342.3,225.6) ; v1(342.3,228.2) 342.3,234.02 R25.2@342.88,234.6
  Layer 4 (Bottom) w0.15: v1(340.9,183.2) v1(340.9,198.7) ; v1(342.3,225.6) v1(342.3,228.2)
ADC_D2: J11.2 R27.2 U20.18 | length 66.6
  Layer 1 (Top) w0.15: J11.2@334.49,178.29 335.7,179.5 v1(340.3,179.5) 340.3,175.5 345.7,170.1 347.3,170.1 347.5,170.3 U20.18@347.5,171.18 ; v1(341.5,199.5) 341.5,219.2 342.88,220.58 R27.2@342.88,222.1
  Layer 4 (Bottom) w0.15: v1(340.3,179.5) 340.3,183.6 339.7,184.2 339.7,199.8 340,200.1 340.9,200.1 v1(341.5,199.5)